# KiCad board Frooastboard Walnut.kicad_pcb (continued)
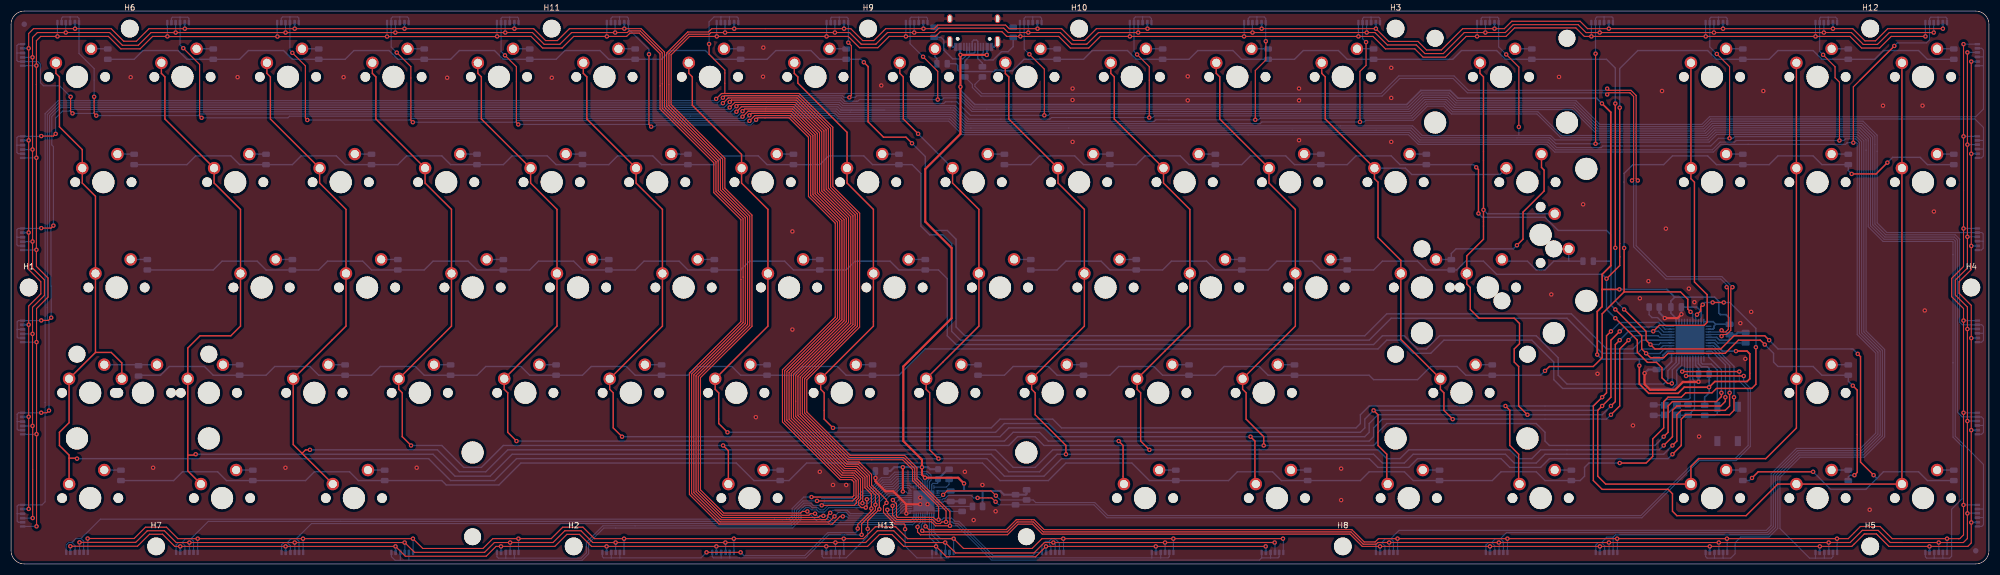
[diagram p0: board, top side]
## Routing (per net, layer and track width the routed paths; a pad name or vN(x,y) marks a point on that pad's centre or on a via; arc(x,y) is an arc through that point) (continued)
CS10: length 673.9
  Top w0.2: v1(146.4,10.6) 152.25,10.6 152.65,11 152.65,11 152.65,11.51 153,11.87 153,15.19 152.14,16.05 150.06,16.05 140.1,26.01 140.1,34.79 149.64,44.33 149.64,61.97 144.8,66.81 144.8,77.51 140.81,81.5 133.69,81.5 v1(133.34,81.16) ; v1(69.65,92.5) 72.2,89.96 72.2,80.25 v1(72.55,79.9) ; v1(310.35,77) 310.35,77 310.35,89.95 v1(308.05,92.25)
  Bottom w0.2: 308.35,98.9 309.7,98.9 309.93,98.67 309.93,97.92 ; 308.35,98.9 308.32,98.88 D94.4 ; 308.35,98.9 307,98.9 306.77,98.67 D94.2 306.77,93.53 v1(308.05,92.25) ; D118.6 48.85,3.44 49.29,3.87 49.88,3.87 ; v1(69.65,92.5) 68.65,93.51 D82.2 68.65,98.7 68.9,98.95 70.2,98.95 ; D82.6 71.8,98.7 71.55,98.95 70.2,98.95 ; D118.4 50.45,3.3 49.88,3.87 ; 287.21,3.87 286.64,3.87 286.18,3.42 D106.6 ; 287.21,3.87 287.78,3.31 D106.4 ; 287.21,3.87 288.18,4.84 289.33,4.84 ; 51.51,4.57 52,4.09 D118.2 ; 51.51,4.57 50.57,4.57 49.88,3.87 ; 51.51,4.57 52.21,5.27 52.22,5.27 54.25,7.3 130.8,7.3 130.8,7.3 140.8,7.3 141.85,8.35 141.85,9.67 143.18,11 144.45,11 144.85,10.6 v1(146.4,10.6) 146.8,11 146.8,11 152.68,11 154.08,12.4 155.1,12.4 157.5,14.8 158.9,14.8 159.9,15.8 160.6,15.8 160.6,15.8 163.85,15.8 164.65,15 U2.25 ; D82.4 70.2,98.95 ; v1(72.55,79.9) 72.55,79.9 91.01,79.9 91.3,80.19 91.3,80.2 124.7,80.2 124.7,80.2 125.05,80.2 125.05,80.2 130,80.2 132.39,80.2 v1(133.34,81.16) 133.69,81.5 148.79,81.5 149.39,80.9 169.67,80.9 172.12,78.45 231.35,78.45 246.35,78.45 246.63,78.45 252.7,78.45 254.45,76.7 277.72,76.7 279.11,75.31 287.15,75.31 287.45,75.61 306.96,75.61 308.34,77 v1(310.35,77) 310.95,77 311.25,77.3 333.28,77.3 334.2,76.38 334.2,70.05 334.2,41.82 337.55,38.47 337.55,23.33 334.32,20.1 322.77,20.1 318.65,15.98 318.65,6.62 317.31,5.27 289.76,5.27 289.33,4.84 ; 289.33,4.84 D106.2
CS11: length 694
  Top w0.2: v1(327.24,92.09) 329.4,89.93 329.4,87.95 330.2,87.15 v1(330.2,76.6) ; v1(89.2,92.01) 91.25,89.96 91.25,79.85 v1(91.6,79.5) ; v1(145.55,11.4) 151.97,11.4 152.6,12.03 152.6,15.02 151.97,15.65 149.9,15.65 139.7,25.85 139.7,34.95 149.24,44.49 149.24,61.81 144.4,66.65 144.4,77.35 140.65,81.1 134.3,81.1 v1(133.35,80.15)
  Bottom w0.2: D95.6 329.77,98.63 329.5,98.9 328.15,98.9 ; 90.05,98.9 90.04,98.89 D83.4 ; 90.05,98.9 91.45,98.9 91.64,98.71 D83.6 ; 90.05,98.9 88.7,98.9 88.49,98.69 D83.2 88.49,92.71 v1(89.2,92.01) ; v1(327.24,92.09) 326.62,92.71 D95.2 326.62,98.72 326.8,98.9 328.15,98.9 ; 267.38,3.87 268.08,4.57 268.96,4.57 ; 267.38,3.87 267.94,3.31 D107.4 ; 267.38,3.87 266.79,3.87 266.34,3.43 D107.6 ; U2.27 165.45,15.01 165.75,15.31 165.75,15.9 165.35,16.3 164.65,16.3 164.55,16.2 162.88,16.2 162.88,16.2 159.73,16.2 158.73,15.2 157.34,15.2 154.94,12.8 153.92,12.8 152.52,11.4 146.85,11.4 146.85,11.4 v1(145.55,11.4) 145.55,11.4 143.01,11.4 141.45,9.84 141.45,8.52 140.63,7.7 139.3,7.7 139.3,7.7 59.5,7.7 35.62,7.7 32.49,4.57 ; 30.84,3.87 31.54,4.57 32.49,4.57 ; 30.84,3.87 31.4,3.31 D119.4 ; 30.84,3.87 30.26,3.87 29.8,3.41 D119.6 ; D95.4 328.17,98.88 328.15,98.9 ; 268.96,4.57 269.49,4.05 D107.2 ; 268.96,4.57 270.06,5.67 317.14,5.67 318.25,6.78 318.25,16.15 322.6,20.5 334.15,20.5 337.15,23.5 337.15,38.3 333.8,41.65 333.8,47.05 333.8,69.8 333.8,69.8 333.8,76.22 333.12,76.9 331.3,76.9 331,76.6 v1(330.2,76.6) 330.19,76.6 311.55,76.6 311.25,76.3 308.63,76.3 307.25,74.91 278.94,74.91 277.55,76.3 254.29,76.3 252.53,78.05 175.6,78.05 171.95,78.05 169.5,80.5 149.23,80.5 148.63,81.1 134.3,81.1 v1(133.35,80.15) 133,79.8 115.31,79.8 115.01,79.5 105.4,79.5 105.4,79.5 v1(91.6,79.5) ; 32.49,4.57 32.95,4.11 D119.2
CS12: length 725.1
  Top w0.2: 333.93,87.53 v1(340.1,93.7) 333.93,87.53 ; 333.93,87.53 332.7,86.3 v1(332.7,76.2) ; v1(115.6,79.1) 115.2,79.5 v1(115.2,92.2) ; v1(144.55,12.1) 151.95,12.1 152.2,12.35 152.2,14.85 151.81,15.24 151.81,15.26 149.73,15.26 139.31,25.68 139.31,35.12 148.84,44.66 148.84,61.64 144.01,66.48 144.01,77.18 140.48,80.71 134.89,80.71 v1(134.54,80.36)
  Bottom w0.2: 348,98.9 349.4,98.9 349.61,98.69 D96.6 ; 348,98.9 346.7,98.9 346.46,98.66 D96.2 346.46,94.81 345.9,94.25 340.65,94.25 v1(340.1,93.7) ; 348,98.9 348.01,98.89 D96.4 ; 249.16,4.57 250.66,6.07 316.98,6.07 317.85,6.95 317.85,16.31 322.44,20.9 333.99,20.9 336.75,23.66 336.75,38.14 333.4,41.49 333.4,76.05 333.25,76.2 v1(332.7,76.2) ; 249.16,4.57 249.64,4.1 D108.2 ; 249.16,4.57 248.23,4.57 247.53,3.87 ; 247.53,3.87 246.94,3.87 246.49,3.43 D108.6 ; 247.53,3.87 248.09,3.31 D108.4 ; v1(115.2,92.2) 115.2,93.05 111.49,96.76 D84.6 111.49,98.71 111.25,98.95 109.9,98.95 ; 331.48,76.07 331.6,76.2 ; 331.48,76.07 331.6,76.2 ; 331.48,76.07 331.3,75.9 313.7,75.9 313.7,75.9 308.8,75.9 307.41,74.51 278.78,74.51 277.39,75.9 254.12,75.9 252.37,77.65 223.4,77.65 223.4,77.65 223.4,77.65 171.79,77.65 169.33,80.1 149.06,80.1 148.46,80.7 134.89,80.7 v1(134.54,80.36) 133.59,79.4 116.55,79.4 116.25,79.1 v1(115.6,79.1) ; 331.6,76.2 332.9,76.2 ; 11,3.9 11.7,4.6 12.64,4.6 ; 11,3.9 10.41,3.9 9.96,3.45 D120.6 ; 11,3.9 11.56,3.34 D120.4 ; 12.64,4.6 16.14,8.1 137.9,8.1 140.09,8.1 140.1,8.1 140.47,8.1 141.05,8.68 141.05,10 143.15,12.1 v1(144.55,12.1) 146.1,12.1 146.4,11.8 146.9,11.8 146.9,11.8 152.35,11.8 153.75,13.2 154.77,13.2 157.17,15.6 158.57,15.6 159.57,16.6 163.05,16.6 163.05,16.6 164.38,16.6 164.48,16.7 165.52,16.7 166.15,16.07 166.15,15.14 165.85,14.85 U2.28 ; 12.64,4.6 13.11,4.13 D120.2 ; 109.9,98.95 109.89,98.94 D84.4 ; 109.9,98.95 108.6,98.95 108.34,98.69 D84.2
D+: length 185.8
  Top w0.2: v1(308.9,41.21) 309.2,41.51 309.82,41.51 310.58,42.26 310.58,49.76 v1(310.88,50.06) ; v1(293.77,69.36) 293.48,69.66 293.48,84.74 292.54,85.68 288.55,85.68 v1(288.25,85.97)
  Bottom w0.2: R6.1 174.06,86.74 174.06,86.37 175.36,85.08 247.41,85.08 250.61,88.28 260.59,88.28 263.19,85.67 287.95,85.68 v1(288.25,85.97) ; v1(310.88,50.06) 308.95,51.99 299.04,51.99 293.48,57.56 293.48,69.06 v1(293.77,69.36) ; U1.4 306.57,41.51 308.6,41.51 v1(308.9,41.21)
D-: length 184.8
  Top w0.2: v1(292.72,69.36) 293.02,69.66 293.02,84.56 292.36,85.22 288.55,85.22 v1(288.25,84.92) ; v1(308.9,42.26) 309.2,41.96 309.64,41.96 310.12,42.44 310.12,49.76 v1(309.82,50.06)
  Bottom w0.2: R5.1 173.61,86.74 173.61,86.19 175.17,84.62 247.59,84.62 250.79,87.83 260.41,87.83 263.01,85.22 287.95,85.22 v1(288.25,84.92) ; v1(292.72,69.36) 293.02,69.06 293.02,57.37 298.86,51.54 308.76,51.54 309.82,50.48 v1(309.82,50.06) ; v1(308.9,42.26) 308.6,41.96 306.57,41.96 U1.3
HWB: length 6.3
  Bottom w0.25: R2.1 295.82,45.09 296.35,44.56 297.35,44.56 298.93,42.98 U1.33
IICRST: length 4.6
  Bottom w0.2: U2.39 169.35,10 169.85,9.5 R8.1
RESET: length 14.5
  Bottom w0.25: R1.1 307.75,26.86 308.15,27.26 SW1.1 308.15,35.06 307.05,36.16 305.45,36.16 305.21,36.4 U1.13
ROW0: length 339.3
  Top w0.25: v1(154,90.75) 154.78,89.97 154.78,79.97 157.55,77.2 161.6,77.2 v1(162.7,76.1)
  Bottom w0.25: v1(162.7,76.1) 165.1,73.7 165.1,61.91 166.69,60.33 169.07,60.33 170.66,58.74 170.66,42.86 172.24,41.28 244.47,41.28 248.44,45.24 281.78,45.24 288.13,38.89 292.89,38.89 294.48,40.48 U1.28 ; D1.1 22.22,91.28 23.81,92.87 30.16,92.87 31.75,91.28 D10.1 41.28,91.28 42.86,92.87 49.21,92.87 50.8,91.28 D19.1 60.33,91.28 61.91,92.87 68.26,92.87 69.85,91.28 D28.1 79.38,91.28 80.96,92.87 87.31,92.87 88.9,91.28 D37.1 98.42,91.28 100.01,92.87 106.36,92.87 107.95,91.28 D46.1 117.48,91.28 119.06,92.87 125.41,92.87 127,91.28 D55.1 136.52,91.28 138.11,92.87 144.46,92.87 146.05,91.28 D64.1 153.47,91.28 v1(154,90.75)
ROW1: length 291.3
  Top w0.25: v1(289.72,57.18) v1(289.72,83.28) ; v1(317.5,40.48) 316.71,41.28 311.15,41.28 308.77,38.89 296.86,38.89 v1(296.07,39.69) 295.27,40.48 295.27,42.07 v1(291.31,46.04) ; v1(333.5,38) 334,37.5 334,18.42 v1(336.36,16.06) ; v1(325.44,16.67) 315.52,16.67 v1(314.4,15.55)
  Bottom w0.25: v1(317.5,40.48) 319.09,38.89 332.61,38.89 v1(333.5,38) ; v1(325.44,16.67) 328.61,13.49 334.96,13.49 336.95,15.48 ; 336.95,15.48 338.14,16.67 344.49,16.67 346.07,15.08 D69.1 ; 336.95,15.48 v1(336.36,16.06) ; v1(314.4,15.55) 313.93,15.08 D60.1 ; v1(289.72,83.28) 289.72,89.69 288.13,91.28 D51.1 269.88,91.28 268.29,92.87 261.94,92.87 260.35,91.28 D42.1 241.3,91.28 239.71,92.87 233.36,92.87 231.77,91.28 D33.1 222.25,91.28 220.66,92.87 214.31,92.87 212.72,91.28 D24.1 203.2,91.28 201.61,92.87 195.26,92.87 193.67,91.28 D15.1 182.93,91.28 180.85,89.2 178.95,89.2 178.79,89.36 177.76,89.36 177.47,89.06 171.25,89.06 170.95,89.36 170.95,90.16 170.62,90.49 D6.1 ; v1(289.72,57.18) 289.72,47.62 v1(291.31,46.04) ; U1.27 297.87,39.98 297.57,39.68 296.07,39.68 v1(296.07,39.69)
ROW2: length 319.7
  Bottom w0.25: D2.1 31.75,72.23 33.34,73.82 39.69,73.82 41.28,72.23 D11.1 50.8,72.23 52.39,73.82 58.74,73.82 60.33,72.23 D20.1 69.85,72.23 71.44,73.82 77.79,73.82 79.38,72.23 D29.1 88.9,72.23 90.49,73.82 96.84,73.82 98.42,72.23 D38.1 107.95,72.23 109.54,73.82 115.89,73.82 117.48,72.23 D47.1 127,72.23 128.59,73.82 134.94,73.82 136.52,72.23 D56.1 146.05,72.23 147.64,73.82 153.99,73.82 155.57,72.23 D65.1 162.72,72.23 164.31,70.64 164.31,61.12 165.89,59.53 168.27,59.53 169.86,57.94 169.86,42.07 171.45,40.48 245.27,40.48 249.24,44.45 280.99,44.45 287.34,38.1 293.69,38.1 294.47,38.88 297.77,38.88 298.37,39.48 U1.26
ROW3: length 219.5
  Top w0.25: v1(265,63.4) 265,71.35 v1(264.6,71.75) ; v1(332.9,16.05) 333.4,16.55 333.4,31.45 v1(332.6,32.25) ; v1(316.71,39.69) 315.91,40.48 311.94,40.48 309.56,38.1 299.24,38.1 298.45,37.31 296.07,37.31 v1(295.27,38.1) 294.48,38.89 294.48,41.28 v1(289.72,46.04)
  Bottom w0.25: D7.1 184.15,72.23 185.74,73.82 192.09,73.82 193.67,72.23 D16.1 203.2,72.23 204.79,73.82 211.14,73.82 212.72,72.23 D25.1 222.25,72.23 223.84,73.82 230.19,73.82 231.77,72.23 D34.1 241.3,72.23 242.89,73.82 249.24,73.82 250.82,72.23 D43.1 264.12,72.23 v1(264.6,71.75) ; v1(289.72,46.04) 288.93,46.83 288.93,54.77 ; v1(332.9,16.05) 332.1,16.05 331.79,15.74 D70.1 ; v1(295.27,38.1) 295.29,38.08 297.77,38.08 298.67,38.98 U1.25 ; 288.93,54.77 288.93,59.53 288.13,60.33 279.4,60.33 277.02,62.71 265.69,62.71 v1(265,63.4) ; 288.93,54.77 D52.1 ; v1(332.6,32.25) 331.79,33.06 D61.1 327.02,34.13 325.44,35.72 319.09,35.72 318.29,36.51 318.29,38.1 v1(316.71,39.69)
ROW4: length 308.3
  Bottom w0.25: D3.1 36.51,53.18 38.1,54.77 44.45,54.77 46.04,53.18 D12.1 55.56,53.18 57.15,54.77 63.5,54.77 65.09,53.18 D21.1 74.61,53.18 76.2,54.77 82.55,54.77 84.14,53.18 D30.1 93.66,53.18 95.25,54.77 101.6,54.77 103.19,53.18 D39.1 112.71,53.18 114.3,54.77 120.65,54.77 122.24,53.18 D48.1 131.76,53.18 133.35,54.77 139.7,54.77 141.29,53.18 D57.1 150.81,53.18 152.4,54.77 158.75,54.77 160.34,53.18 D66.1 167.48,53.18 169.07,51.59 169.07,41.28 170.66,39.69 246.06,39.69 247.65,41.28 251.62,41.28 254,38.89 255.59,38.89 257.97,41.28 275.43,41.28 279.4,37.31 279.4,34.13 280.99,32.54 298.45,32.54 299.21,33.31 299.21,34.96 300.71,36.46 U1.22
ROW5: length 245.4
  Top w0.25: v1(289.72,44.45) 293.69,40.48 293.69,38.3 295.52,36.46 297.15,36.46 298.15,35.46 298.15,33.66 299.15,32.66 v1(299.92,32.66) ; v1(288.13,51.59) 290.51,53.97 v1(290.51,82.54)
  Bottom w0.25: D8.1 188.91,53.18 190.5,54.77 196.85,54.77 198.44,53.18 D17.1 207.96,53.18 209.55,54.77 215.9,54.77 217.49,53.18 D26.1 227.01,53.18 228.6,54.77 234.95,54.77 236.54,53.18 D35.1 246.06,53.18 247.65,54.77 254,54.77 255.59,53.18 D44.1 261.08,53.18 262.67,54.77 265.91,54.77 268.29,52.39 287.34,52.39 v1(288.13,51.59) 288.13,46.04 v1(289.72,44.45) ; v1(299.92,32.66) 300.01,32.75 300.01,35.12 301.21,36.33 U1.21 ; D71.1 346.07,91.28 344.49,92.87 338.14,92.87 336.55,91.28 D62.1 327.02,91.28 325.44,92.87 319.09,92.87 317.5,91.28 D53.1 307.97,91.28 306.39,92.87 293.77,92.87 290.51,89.61 v1(290.51,82.54)
ROW6: length 302.5
  Bottom w0.25: U1.20 301.71,35.92 300.81,35.03 300.81,32.53 300.04,31.75 280.19,31.75 278.61,33.34 278.61,36.51 274.64,40.48 258.76,40.48 256.38,38.1 253.21,38.1 250.82,40.48 248.44,40.48 246.86,38.89 165.1,38.89 160.34,34.13 D67.1 150.81,34.13 149.22,35.72 142.88,35.72 141.29,34.13 D58.1 131.76,34.13 130.17,35.72 123.83,35.72 122.24,34.13 D49.1 112.71,34.13 111.13,35.72 104.78,35.72 103.19,34.13 D40.1 93.66,34.13 92.08,35.72 85.73,35.72 84.14,34.13 D31.1 74.61,34.13 73.03,35.72 66.67,35.72 65.09,34.13 D22.1 55.56,34.13 53.98,35.72 47.62,35.72 46.04,34.13 D13.1 36.51,34.13 34.92,35.72 28.57,35.72 26.99,34.13 23.16,34.13 D4.1
ROW7: length 237.4
  Top w0.25: 291.31,49.21 287.34,45.24 287.34,37.31 285.75,35.72 277.81,35.72 v1(277.02,34.92) ; 291.31,49.21 301.49,49.21 302.8,47.9 302.8,46.1 v1(303.3,45.6) ; 291.31,49.21 v1(291.31,57.15) ; v1(338.85,72.6) 336.8,70.55 v1(332.4,70.55)
  Bottom w0.25: v1(277.02,34.92) 276.22,34.13 D45.1 262.73,34.13 261.14,35.72 256.38,35.72 254,33.34 246.06,33.34 245.27,34.13 D36.1 227.01,34.13 225.42,35.72 219.07,35.72 217.49,34.13 D27.1 207.96,34.13 206.38,35.72 200.02,35.72 198.44,34.13 D18.1 188.91,34.13 187.32,35.72 180.97,35.72 179.39,34.13 D9.1 ; U1.40 303.71,45.19 v1(303.3,45.6) ; v1(338.85,72.6) 339.8,73.55 344.76,73.55 346.07,72.23 D72.1 ; v1(291.31,57.15) 291.31,70.64 292.89,72.23 298.45,72.23 300.04,73.82 306.39,73.82 307.97,72.23 D54.1 317.5,72.23 319.09,73.82 325.44,73.82 327.02,72.23 D63.1 331.79,71.16 v1(332.4,70.55)
ROW8: length 348.6
  Top w0.25: v1(315.1,39.2) 315.1,32.5 314.35,31.75 307.97,31.75 307.18,30.96 302.42,30.96 301.62,30.16 299.24,30.16 298.45,29.37 298.45,24.61 296.47,22.62 296.47,19.45 295.27,18.26 v1(290.51,18.26) ; v1(305.5,46.9) 305.14,46.54 305.14,45.78 v1(304.46,45.1) ; v1(307.3,47.3) v1(309.3,47.3)
  Bottom w0.25: v1(315.1,39.2) 315.1,42.6 310.4,47.3 v1(309.3,47.3) ; v1(290.51,18.26) 284.96,18.26 284.16,17.46 284.16,15.88 283.37,15.08 D68.1 277.02,15.08 275.43,16.67 269.08,16.67 267.49,15.08 D59.1 253.21,15.08 251.62,16.67 245.27,16.67 243.68,15.08 D50.1 229.39,15.08 227.81,16.67 221.46,16.67 219.87,15.08 D41.1 205.58,15.08 202.41,18.26 190.5,18.26 187.32,15.08 178.59,15.08 175.42,18.26 143.67,18.26 140.49,15.08 D32.1 134.14,15.08 130.97,18.26 92.08,18.26 88.11,14.29 78.58,14.29 77.79,15.08 D23.1 62.71,15.08 61.12,16.67 54.77,16.67 53.18,15.08 D14.1 38.89,15.08 37.31,16.67 30.96,16.67 29.37,15.08 D5.1 ; v1(304.46,45.1) 304.21,44.85 U1.41 ; v1(305.5,46.9) 305.9,47.3 v1(307.3,47.3)
RSET: length 3.9
  Bottom w0.2: U2.30 168.89,13.89 169.4,14.4 R7.1
SCL: length 181
  Top w0.2: v1(177.8,11.25) 177.1,11.95 v1(174.55,11.95)
  Top w0.25: v1(302.49,34) v1(312.9,34)
  Bottom w0.2: v1(312.9,34) 312.9,33 314.1,31.8 314.1,21.25 311.55,18.7 304.85,18.7 294.5,8.35 197.9,8.35 195.55,10.7 R11.2 178.35,10.7 v1(177.8,11.25) ; U2.35 168.15,11.6 168.35,11.8 168.65,11.8 169.24,12.39 173.39,12.39 173.82,11.95 v1(174.55,11.95)
  Bottom w0.25: v1(302.49,34) 302.71,34.22 U1.18
SDA: length 180.8
  Top w0.2: v1(168.32,12.5) 169.02,13.2 177,13.2 v1(177.85,12.35)
  Top w0.25: v1(301.8,34.8) v1(312.1,34.8)
  Bottom w0.2: v1(312.1,34.8) 312.1,33.05 313.7,31.45 313.7,21.42 311.38,19.1 304.68,19.1 294.33,8.75 198.07,8.75 195.72,11.1 185.05,11.1 184.57,11.58 R10.2 178.62,11.58 v1(177.85,12.35) ; v1(168.32,12.5) 168.32,12.5 167.82,12 U2.34
  Bottom w0.25: v1(301.8,34.8) 302.21,35.21 U1.19
SDB: length 6.3
  Bottom w0.2: U2.38 R9.1
SW1: length 261.2
  Top w0.2: v1(13.82,4.6) 13.83,4.6 22.22,4.6 24.28,6.65 28.05,6.65 30.13,4.57 v1(33.7,4.57) v1(52.72,4.57) v1(72.57,4.57) 74.35,2.8 85.22,2.8 87,4.57 v1(91.62,4.57) 97.55,4.58 99.62,6.65 103.28,6.65 105.35,4.57 v1(110.7,4.57) v1(130.53,4.57) v1(150.38,4.57) 150.38,4.58 153.92,4.58 156.07,6.72 159.75,6.72 161.9,4.57 v1(170.22,4.57) 172,2.8 184.4,2.8 186.17,4.57 v1(190.02,4.57) v1(209.9,4.58) v1(229.7,4.58)
  Bottom w0.2: D109.1 229.76,4.52 v1(229.7,4.58) ; D118.1 52.75,4.55 v1(52.72,4.57) ; v1(91.62,4.57) 91.64,4.56 D116.1 ; D114.1 130.54,4.56 v1(130.53,4.57) ; v1(150.38,4.57) 150.38,4.57 D113.1 ; D120.1 13.86,4.57 v1(13.82,4.6) ; D117.1 72.59,4.56 v1(72.58,4.57) ; v1(110.7,4.57) 110.69,4.57 D115.1 ; 170.22,2.09 v1(170.22,4.57) 168.18,4.57 168.17,4.58 167.82,4.58 166.65,5.75 U2.1 ; D111.1 190.07,4.53 v1(190.02,4.57) ; D110.1 209.91,4.56 v1(209.9,4.58) ; D119.1 v1(33.7,4.57)
SW2: length 252.5
  Top w0.2: v1(12.35,3.9) 12.35,3.9 22.5,3.9 24.6,6 27.7,6 29.83,3.87 v1(32.2,3.87) v1(51.22,3.87) v1(71.08,3.87) 72.85,2.1 85.51,2.1 87.29,3.87 v1(90.12,3.87) 97.88,3.88 100,6 102.92,6 105.05,3.87 v1(109.17,3.87) v1(129,3.87) v1(148.88,3.87) 148.88,3.88 154.32,3.88 156.45,6 159.4,6 161.53,3.87 v1(168.7,3.87) 170.57,2 184.74,2 186.61,3.87 v1(188.23,3.87) v1(208.4,3.87) 211.9,3.88 v1(228.2,3.88)
  Bottom w0.2: v1(129,3.87) 129.04,3.84 D114.3 ; v1(148.88,3.87) 148.88,3.87 D113.3 ; 168.72,2.09 168.72,3.85 v1(168.7,3.87) 167.68,3.87 166.25,5.3 U2.2 ; D109.3 228.26,3.82 v1(228.2,3.88) ; D117.3 71.09,3.86 v1(71.08,3.87) ; v1(51.22,3.87) 51.25,3.85 D118.3 ; v1(109.17,3.87) 109.19,3.86 D115.3 ; D110.3 208.41,3.86 v1(208.4,3.87) ; v1(12.35,3.9) 12.36,3.89 D120.3 ; D116.3 90.14,3.86 v1(90.12,3.87) ; D119.3 v1(32.2,3.87) ; D111.3 188.57,3.53 v1(188.23,3.87)
SW3: length 243.7
  Top w0.2: v1(10.7,3.2) 22.82,3.2 25,5.38 27.35,5.38 29.55,3.17 v1(30.55,3.17) v1(49.58,3.17) v1(69.42,3.17) 71.2,1.4 85.8,1.4 87.58,3.17 v1(88.48,3.17) 98.2,3.17 100.38,5.35 102.65,5.35 104.83,3.17 v1(107.55,3.17) v1(127.38,3.17) v1(147.22,3.17) 154.67,3.17 156.82,5.33 159.07,5.33 161.22,3.17 v1(167.05,3.17) 168.92,1.3 185.02,1.3 v1(186.9,3.17) v1(206.72,3.17) v1(226.57,3.17)
  Bottom w0.2: v1(10.7,3.2) 10.71,3.19 D120.5 ; D111.5 186.92,3.16 v1(186.9,3.17) ; D118.5 49.6,3.15 v1(49.58,3.17) ; D117.5 69.44,3.16 v1(69.42,3.17) ; D112.5 167.07,3.15 v1(167.05,3.17) 167.05,3.65 165.85,4.85 U2.3 ; v1(147.22,3.17) 147.23,3.17 D113.5 ; D119.5 v1(30.55,3.17) ; v1(226.57,3.17) 226.61,3.14 D109.5 ; D110.5 206.76,3.14 v1(206.72,3.17) ; v1(107.55,3.17) 107.54,3.17 D115.5 ; v1(88.48,3.17) 88.49,3.16 D116.5 ; v1(127.38,3.17) 127.39,3.16 D114.5
SW4: length 315.2
  Top w0.2: v1(165.15,6.8) 165.75,6.2 179.73,6.2 181.53,8 184.3,8 184.77,8 186.57,6.2 242.13,6.2 244.36,3.97 246.33,3.97 246.94,4.58 v1(250.38,4.58) 250.38,4.57 v1(270.23,4.57) v1(290.05,4.57) v1(309.87,4.57) v1(329.75,4.57) 331.77,4.57 333.97,6.78 337.52,6.78 339.73,4.57 v1(349.62,4.57) 351.7,4.57 351.7,4.58 351.93,4.58 352.6,5.25 352.6,8.42 v1(352.6,10.68) v1(352.6,27.35) v1(352.6,44.02) 352.6,46.2 350.45,48.35 350.45,51.65 352.6,53.8 v1(352.6,60.67) 352.6,67.53 v1(352.6,77.35) v1(352.6,94.02)
  Bottom w0.2: v1(165.15,6.8) 165.05,6.9 U2.5 ; 309.93,2.09 309.93,4.52 v1(309.87,4.57) ; D101.1 v1(352.6,27.35) ; v1(349.62,4.57) 349.62,2.1 D103.1 ; D108.1 250.39,4.56 v1(250.38,4.58) ; D106.1 290.08,4.54 v1(290.05,4.57) ; D102.1 352.61,10.68 v1(352.6,10.68) ; v1(329.75,4.57) 329.77,4.56 D104.1 ; D100.1 352.61,44.02 v1(352.6,44.02) ; v1(270.23,4.57) 270.24,4.56 D107.1 ; D97.1 v1(352.6,94.03) ; v1(352.6,77.35) 352.61,77.36 D98.1 ; D99.1 352.61,60.69 v1(352.6,60.67)
SW5: length 307.9
  Top w0.2: v1(164.55,6) 164.75,5.8 179.9,5.8 181.7,7.6 184.6,7.6 186.4,5.8 241.97,5.8 244.19,3.57 246.5,3.57 246.8,3.88 v1(248.88,3.88) v1(268.68,3.88) 277.8,3.88 v1(288.55,3.87) v1(308.4,3.87) v1(328.25,3.87) 332.12,3.88 334.32,6.08 337.18,6.08 339.38,3.88 341.55,3.88 v1(348.12,3.87) 352.57,3.87 353.3,4.6 v1(353.3,9.15) v1(353.3,25.85) v1(353.3,42.5) 353.3,46.47 351.12,48.65 351.12,51.35 353.3,53.53 v1(353.3,59.17) v1(353.3,75.85) v1(353.3,92.53)
  Bottom w0.2: v1(353.3,42.5) 353.32,42.52 D100.3 ; D108.3 248.89,3.86 v1(248.88,3.88) ; v1(353.3,59.17) 353.31,59.19 D99.3 ; v1(348.12,3.87) 348.12,2.1 D103.3 ; v1(288.55,3.87) 288.58,3.84 D106.3 ; D104.3 328.27,3.86 v1(328.25,3.87) ; v1(353.3,75.85) 353.31,75.86 D98.3 ; D102.3 353.33,9.18 v1(353.3,9.15) ; U2.6 164.65,7.35 164.4,7.1 164.4,6.15 v1(164.55,6) ; D107.3 268.74,3.81 v1(268.68,3.88) ; 308.43,2.09 308.43,3.85 v1(308.4,3.87) ; D101.3 v1(353.3,25.85) ; D97.3 v1(353.3,92.53)
SW6: length 300.5
  Top w0.2: v1(354,90.88) v1(354,74.2) v1(354,57.52) 354,53.25 351.8,51.05 351.8,48.97 354,46.78 v1(354,40.85) v1(354,24.2) v1(354,7.5) 354,3.8 353.38,3.17 v1(346.45,3.17) 339.12,3.17 336.88,5.42 334.68,5.42 332.43,3.17 v1(326.65,3.17) v1(306.77,3.17) v1(286.93,3.17) v1(267.07,3.17) v1(247.22,3.17) 244.02,3.17 241.8,5.4 186.23,5.4 184.43,7.2 181.87,7.2 179.94,5.27 164.23,5.27 163.7,5.8 v1(163.7,6.7)
  Bottom w0.2: v1(354,57.52) 354.01,57.54 355.1,57.54 ; v1(163.7,6.7) 163.7,7 164.25,7.55 U2.7 ; v1(326.65,3.17) 326.62,3.14 D104.5 ; D105.5 v1(306.77,3.17) ; D102.5 354.03,7.53 v1(354,7.5) ; D97.5 v1(354,90.88) ; D108.5 247.24,3.16 v1(247.22,3.17) ; v1(354,40.85) 354.02,40.87 D100.5 ; v1(267.07,3.17) 267.09,3.16 D107.5 ; D98.5 354.01,74.21 v1(354,74.2) ; v1(346.45,3.17) 346.46,3.16 D103.5 ; v1(286.93,3.17) 286.93,3.17 D106.5 ; D101.5 v1(354,24.2)
SW7: length 400.3
  Top w0.2: v1(143.8,9.5) 142.9,9.5 142.6,9.2 128.7,9.2 124.5,13.4 124.5,33.7 133.8,43 133.8,63.1 128.9,68 128.9,73.4 119.2,83.1 119.2,92.1 122.52,95.42 v1(127.45,95.42) 147.27,95.43 v1(147.27,95.43) 151.17,95.43 153.22,93.38 156.52,93.38 158.58,95.43 v1(161.6,95.43) 166.95,95.43 167.8,96.28 178.95,96.28 179.8,95.43 v1(182.27,95.43) 189.2,95.43 191.3,93.33 194.62,93.33 196.72,95.42 202.05,95.42 v1(202.05,95.43) v1(222.68,95.43) 243.32,95.43 v1(243.32,95.42) 245.95,95.42 248.2,93.17 253.5,93.17 255,91.67 259.02,91.67 262.77,95.42 v1(264.75,95.42) 264.75,95.43 269.98,95.43 271.51,96.96 282.59,96.96 284.12,95.42 285.4,95.42 v1(285.4,95.43) v1(306.05,95.43) v1(325.88,95.43) 332.1,95.43 334.2,93.33 337.45,93.33 339.55,95.42 345.72,95.42 v1(345.72,95.43)
  Bottom w0.2: D88.1 182.2,95.5 v1(182.27,95.43) ; D87.1 v1(161.6,95.43) ; v1(202.05,95.43) 202.04,95.43 D89.1 ; v1(345.72,95.43) 345.71,95.44 D96.1 ; v1(325.88,95.43) 325.87,95.43 D95.1 ; D92.1 v1(264.75,95.42) ; v1(127.45,95.42) 127.43,95.44 D85.1 ; D94.1 306.02,95.45 v1(306.05,95.43) ; v1(222.68,95.43) 222.68,95.43 D90.1 ; v1(143.8,9.5) 145.7,7.6 147.43,7.6 147.93,7.1 160.7,7.1 162.83,7.1 163.85,8.12 U2.8 ; D91.1 243.32,95.43 v1(243.32,95.42) ; v1(285.4,95.43) 285.39,95.44 D93.1 ; 147.27,97.92 v1(147.27,95.43)
SW8: length 394.2
  Top w0.2: 286.9,96.12 284.43,96.12 283,97.55 271.27,97.55 269.85,96.13 v1(266.25,96.13) 262.45,96.13 258.65,92.33 255.32,92.33 253.77,93.88 248.55,93.88 246.3,96.13 v1(244.82,96.13) v1(224.2,96.13) v1(203.55,96.13) 203.55,96.12 196.38,96.12 194.27,94.03 191.57,94.03 189.47,96.13 v1(183.7,96.13) 180.07,96.13 179.27,96.92 167.55,96.92 166.75,96.13 v1(163.1,96.13) 158.28,96.13 156.17,94.03 153.52,94.03 151.42,96.13 v1(148.77,96.13) 128.95,96.13 v1(128.95,96.12) 126.4,96.12 126.1,95.82 122.36,95.82 118.8,92.27 118.8,82.93 128.5,73.23 128.5,67.83 133.4,62.93 133.4,43.17 124.1,33.87 124.1,13.23 128.53,8.8 144.1,8.8 144.4,9.1 v1(145.2,9.1) ; 286.9,96.12 v1(307.52,96.12) 327.37,96.12 v1(327.38,96.13) 332.35,96.13 334.5,93.97 337.05,93.97 339.2,96.12 347.22,96.12 v1(347.22,96.13) ; 286.9,96.12 v1(286.9,96.13) 286.9,96.12
  Bottom w0.2: D87.3 v1(163.1,96.13) ; 145.7,8.6 146.3,8 147.6,8 148.1,7.5 162.67,7.5 163.45,8.28 U2.9 ; 145.7,8.6 145.4,8.9 ; 145.7,8.6 v1(145.2,9.1) ; D89.3 203.54,96.13 v1(203.55,96.13) ; v1(128.95,96.12) 128.93,96.14 D85.3 ; D95.3 327.37,96.13 v1(327.38,96.13) ; D94.3 v1(307.52,96.12) ; v1(347.22,96.13) 347.21,96.14 D96.3 ; D91.3 244.82,96.13 v1(244.82,96.13) ; 148.77,97.92 v1(148.77,96.13) ; v1(286.9,96.13) 286.89,96.14 D93.3 ; v1(224.2,96.13) 224.18,96.14 D90.3 ; D92.3 v1(266.25,96.13) ; D88.3 v1(183.7,96.13)
SW9: length 387.5
  Top w0.2: v1(146.7,8.7) 146.1,8.7 145.8,8.4 128.37,8.4 123.7,13.07 123.7,34.03 133,43.33 133,62.77 128.1,67.67 128.1,73.07 118.4,82.77 118.4,92.43 122.19,96.22 125.93,96.22 126.54,96.83 v1(130.6,96.83) v1(150.42,96.83) 151.65,96.83 153.8,94.67 155.8,94.67 157.95,96.83 v1(164.77,96.83) 166.67,96.83 167.32,97.47 179.6,97.47 180.25,96.83 v1(185.38,96.83) 189.72,96.83 191.85,94.7 193.88,94.7 196,96.83 v1(205.22,96.83) v1(225.85,96.83) v1(246.47,96.83) 248.77,94.53 254.07,94.53 255.62,92.97 258.3,92.97 262.15,96.83 v1(267.9,96.83) 269.68,96.83 271.02,98.17 283.35,98.17 284.7,96.83 v1(288.55,96.83) v1(309.18,96.83) v1(329.02,96.83) 332.6,96.83 334.8,94.62 336.7,94.62 338.9,96.83 v1(348.88,96.83)
  Bottom w0.2: v1(130.6,96.83) 130.58,96.84 D85.5 ; D90.5 225.83,96.84 v1(225.85,96.83) ; D88.5 185.35,96.85 v1(185.38,96.83) ; v1(246.47,96.83) 246.47,96.83 D91.5 ; v1(164.77,96.83) 164.75,96.85 D87.5 ; v1(329.02,96.83) 329.02,96.83 D95.5 ; D93.5 288.54,96.84 v1(288.55,96.83) ; v1(146.7,8.7) 147.5,8.7 148.3,7.9 162.5,7.9 163.05,8.45 U2.10 ; D92.5 v1(267.9,96.83) ; D89.5 205.19,96.86 v1(205.22,96.83) ; D86.5 v1(150.42,96.83) ; v1(348.88,96.83) 348.86,96.84 D96.5 ; D94.5 v1(309.18,96.83)
SW10: length 371.2
  Top w0.2: v1(150.2,8.6) 149.7,8.6 148.3,7.2 127.87,7.2 122.5,12.57 122.5,34.53 131.8,43.83 131.8,51.43 131.8,51.43 131.8,62.27 126.9,67.17 126.9,72.57 117.2,82.27 117.2,86.47 117.2,92.27 113.44,96.03 111.77,96.03 111.17,95.43 v1(107.6,95.43) 107.6,95.42 101.6,95.42 99.5,93.33 96,93.33 93.9,95.43 v1(87.78,95.43) 87.75,95.4 v1(67.9,95.4) v1(48.1,95.4) 28.25,95.4 v1(28.22,95.43) 28.22,95.42 25.55,95.42 23.3,93.17 19.82,93.17 17.57,95.43 8.38,95.43 v1(8.38,95.43) 8.37,95.42 5.35,95.42 4.57,94.65 v1(4.57,90.15) 4.57,86.75 v1(4.57,73.47) v1(4.57,56.83) 4.57,53.83 6.68,51.72 6.68,48.28 4.6,46.2 v1(4.6,40.12) v1(4.6,23.47) v1(4.6,6.8)
  Bottom w0.2: D76.1 4.54,56.79 v1(4.57,56.83) ; v1(150.2,8.6) 150.9,8.6 151.2,8.3 159.7,8.3 161.4,10 U2.12 ; v1(87.78,95.43) 87.74,95.46 D83.1 ; D84.1 107.59,95.44 v1(107.6,95.43) ; v1(8.38,95.43) 8.37,95.43 D79.1 ; D74.1 4.57,23.45 v1(4.6,23.47) ; D80.1 28.21,95.44 v1(28.22,95.43) ; v1(48.1,95.4) 48.06,95.44 D81.1 ; v1(4.57,90.15) 4.55,90.12 D78.1 ; D82.1 v1(67.9,95.4) ; v1(4.6,40.12) 4.59,40.12 D75.1 ; D77.1 4.56,73.46 v1(4.57,73.47) ; v1(4.6,6.8) 4.58,6.78 D73.1
SW11: length 362.7
  Top w0.2: v1(3.9,8.3) 3.9,24.95 v1(3.87,24.97) v1(3.87,41.62) 3.87,46.42 6.02,48.58 6.02,51.38 3.88,53.53 v1(3.88,58.33) v1(3.88,74.97) v1(3.88,91.65) 3.87,95.25 4.75,96.12 9.87,96.12 v1(9.88,96.13) 17.8,96.13 20.1,93.83 22.97,93.83 25.28,96.12 29.72,96.12 v1(29.72,96.13) 29.73,96.12 49.57,96.12 v1(49.58,96.13) 49.58,96.12 v1(69.4,96.12) 89.25,96.12 v1(89.25,96.13) 94.15,96.13 96.28,94 99.1,94 101.23,96.12 109.1,96.12 v1(109.1,96.13) 111.3,96.13 111.6,96.43 113.61,96.43 117.6,92.43 117.6,86.85 117.6,82.44 127.3,72.74 127.3,67.34 132.2,62.44 132.2,51.9 132.2,51.9 132.2,43.66 122.9,34.36 122.9,12.74 128.04,7.6 147.7,7.6 v1(148.7,8.6)
  Bottom w0.2: D80.3 29.71,96.14 v1(29.72,96.13) ; D74.3 3.85,24.95 v1(3.87,24.97) ; D83.3 89.24,96.13 v1(89.25,96.13) ; v1(3.87,41.62) 3.87,41.62 D75.3 ; D78.3 3.85,91.62 v1(3.87,91.65) ; D73.3 3.88,8.28 v1(3.9,8.3) ; v1(49.58,96.13) 49.56,96.14 D81.3 ; v1(3.88,74.97) 3.86,74.96 D77.3 ; U2.13 161.2,10.4 159.5,8.7 151.4,8.7 150.8,9.3 149.4,9.3 v1(148.7,8.6) ; D79.3 9.87,96.13 v1(9.88,96.13) ; v1(109.1,96.13) 109.09,96.14 D84.3 ; D82.3 v1(69.4,96.12) ; D76.3 3.84,58.29 v1(3.88,58.33)
SW12: length 354.2
  Top w0.2: v1(3.18,9.95) v1(3.18,26.62) v1(3.18,43.28) 3.18,46.65 5.38,48.85 5.38,51.05 3.18,53.25 v1(3.18,59.95) v1(3.18,76.62) v1(3.18,93.28) 3.18,95.95 4.05,96.83 v1(11.55,96.83) 18.07,96.83 20.35,94.55 22.62,94.55 24.9,96.83 v1(31.37,96.83) v1(51.23,96.83) v1(71.05,96.83) v1(90.9,96.83) 94.38,96.83 96.53,94.67 98.67,94.67 100.83,96.83 v1(110.75,96.83) 113.77,96.83 118,92.6 118,82.6 127.7,72.9 127.7,67.5 132.6,62.6 132.6,43.5 123.3,34.2 123.3,12.9 128.2,8 147.1,8 147.5,8.4 147.5,8.81 v1(147.94,9.25)
  Bottom w0.2: D77.5 3.16,76.61 v1(3.18,76.62) ; D75.5 3.17,43.27 v1(3.18,43.28) ; v1(3.18,59.95) 3.16,59.94 D76.5 ; D73.5 3.16,9.93 v1(3.18,9.95) ; D82.5 v1(71.05,96.83) ; v1(3.18,26.62) 3.15,26.6 D74.5 ; D81.5 51.21,96.84 v1(51.23,96.83) ; D79.5 11.52,96.86 v1(11.55,96.83) ; v1(31.37,96.83) 31.36,96.84 D80.5 ; D84.5 110.74,96.84 v1(110.75,96.83) ; U2.14 161.03,10.8 159.33,9.1 151.6,9.1 151.25,9.45 151,9.7 148.39,9.7 v1(147.94,9.25) ; D78.5 v1(3.18,93.28) ; D83.5 90.89,96.83 v1(90.9,96.83)
UCAP: length 6.9
  Bottom w0.25: C1.2 308.27,39.96 307.75,40.48 U1.6
XTAL1: length 14.7
  Bottom w0.25: C2.1 298.55,28.78 Y1.1 298.65,29.47 298.95,29.78 302.95,29.78 303.21,30.04 U1.17
XTAL2: length 12.9
  Bottom w0.25: U1.16 303.71,33.4 304.01,33.1 304.01,28.04 C3.1 300.95,26.88 Y1.3
Net-(D1-Pad2): length 3
  Bottom w0.25: KEY_ESC1.2 17.43,93.19 D1.2
Net-(D2-Pad2): length 3
  Bottom w0.25: D2.2 22.19,74.14 KEY_TAB1.2
Net-(D3-Pad2): length 3
  Bottom w0.25: KEY_CAPS1.2 24.58,55.09 D3.2
Net-(D4-Pad2): length 9.7
  Bottom w0.25: KEY_LSHIFT2.2 23.19,36.04 D4.2 22.85,36.04 KEY_LSHIFT1.2
Net-(D5-Pad2): length 3
  Bottom w0.25: D5.2 19.81,16.99 KEY_LCTRL1.2
Net-(D6-Pad2): length 2.8
  Bottom w0.25: KEY_8.2 166.85,91.77 167.19,91.42 D6.2
Net-(D7-Pad2): length 3
  Bottom w0.25: KEY_I1.2 179.36,74.14 D7.2
Net-(D8-Pad2): length 3
  Bottom w0.25: D8.2 184.12,55.09 KEY_K1.2
Net-(D9-Pad2): length 3
  Bottom w0.25: D9.2 174.59,36.04 KEY_M1.2
Net-(D10-Pad2): length 3
  Bottom w0.25: KEY_1.2 36.48,93.19 D10.2
Net-(D11-Pad2): length 3
  Bottom w0.25: D11.2 46.01,74.14 KEY_Q1.2
Net-(D12-Pad2): length 3
  Bottom w0.25: KEY_A1.2 50.77,55.09 D12.2
Net-(D13-Pad2): length 3
  Bottom w0.25: D13.2 41.25,36.04 KEY_\1.2
Net-(D14-Pad2): length 3
  Bottom w0.25: D14.2 43.63,16.99 KEY_LGUI1.2
Net-(D15-Pad2): length 3
  Bottom w0.25: D15.2 188.88,93.19 KEY_9.2
Net-(D16-Pad2): length 3
  Bottom w0.25: D16.2 198.41,74.14 KEY_O1.2
Net-(D17-Pad2): length 3
  Bottom w0.25: KEY_L1.2 203.17,55.09 D17.2
Net-(D18-Pad2): length 3
  Bottom w0.25: D18.2 193.64,36.04 KEY_,1.2
Net-(D19-Pad2): length 3
  Bottom w0.25: D19.2 55.53,93.19 KEY_2.2
Net-(D20-Pad2): length 3
  Bottom w0.25: KEY_W1.2 65.06,74.14 D20.2
Net-(D21-Pad2): length 3
  Bottom w0.25: KEY_S1.2 69.82,55.09 D21.2
Net-(D22-Pad2): length 3
  Bottom w0.25: KEY_Y1.2 60.3,36.04 D22.2
Net-(D23-Pad2): length 3
  Bottom w0.25: KEY_LALT1.2 67.44,16.99 D23.2
Net-(D24-Pad2): length 3
  Bottom w0.25: KEY_0.2 207.93,93.19 D24.2
Net-(D25-Pad2): length 3
  Bottom w0.25: KEY_P1.2 217.46,74.14 D25.2
Net-(D26-Pad2): length 3
  Bottom w0.25: KEY_;1.2 222.22,55.09 D26.2
Net-(D27-Pad2): length 3
  Bottom w0.25: D27.2 212.69,36.04 KEY_.1.2
Net-(D28-Pad2): length 3
  Bottom w0.25: D28.2 74.58,93.19 KEY_3.2
Net-(D29-Pad2): length 3
  Bottom w0.25: D29.2 84.11,74.14 KEY_E1.2
Net-(D30-Pad2): length 3
  Bottom w0.25: KEY_D1.2 88.87,55.09 D30.2
Net-(D31-Pad2): length 3
  Bottom w0.25: D31.2 79.34,36.04 KEY_X1.2
Net-(D32-Pad2): length 3
  Bottom w0.25: KEY_SPACE1.2 138.88,16.99 D32.2
Net-(D33-Pad2): length 3
  Bottom w0.25: KEY_-1.2 226.98,93.19 D33.2
Net-(D34-Pad2): length 3
  Bottom w0.25: KEY_[1.2 236.51,74.14 D34.2
Net-(D35-Pad2): length 3
  Bottom w0.25: KEY_'1.2 241.27,55.09 D35.2
Net-(D36-Pad2): length 3
  Bottom w0.25: KEY_/1.2 231.74,36.04 D36.2
Net-(D37-Pad2): length 3
  Bottom w0.25: KEY_4.2 93.63,93.19 D37.2
Net-(D38-Pad2): length 3
  Bottom w0.25: KEY_R1.2 103.16,74.14 D38.2
Net-(D39-Pad2): length 3
  Bottom w0.25: D39.2 107.92,55.09 KEY_F1.2
Net-(D40-Pad2): length 3
  Bottom w0.25: KEY_C1.2 98.39,36.04 D40.2
Net-(D41-Pad2): length 3
  Bottom w0.25: D41.2 210.31,16.99 KEY_RALT1.2
Net-(D42-Pad2): length 3
  Bottom w0.25: KEY_=1.2 246.03,93.19 D42.2
Net-(D43-Pad2): length 3
  Bottom w0.25: D43.2 255.56,74.14 KEY_]1.2
Net-(D44-Pad2): length 35.1
  Top w0.25: KEY_#2.2 276.38,71.72 276.85,71.25 276.85,67.45 273.05,63.65 273.05,58.75 v1(271.95,57.65)
  Bottom w0.25: KEY_#1.2 260.07,55.09 D44.2 260.1,56.15 260.95,57 271.3,57 v1(271.95,57.65)
Net-(D45-Pad2): length 3
  Bottom w0.25: KEY_RSHIFT1.2 267.46,36.04 D45.2
Net-(D46-Pad2): length 3
  Bottom w0.25: D46.2 112.68,93.19 KEY_5.2
Net-(D47-Pad2): length 3
  Bottom w0.25: D47.2 122.21,74.14 KEY_T1.2
Net-(D48-Pad2): length 3
  Bottom w0.25: D48.2 126.97,55.09 KEY_G1.2
Net-(D49-Pad2): length 3
  Bottom w0.25: KEY_V1.2 117.45,36.04 D49.2
Net-(D50-Pad2): length 3
  Bottom w0.25: D50.2 234.13,16.99 KEY_FN1.2
Net-(D51-Pad2): length 3
  Bottom w0.25: D51.2 274.61,93.19 KEY_BACKSPACE1.2
Net-(D52-Pad2): length 18.3
  Bottom w0.25: 281.31,56.99 281.31,54.8 281.33,54.77 ; 281.33,54.77 278.61,54.77 277.02,53.18 275.43,53.18 273.84,54.77 269.56,54.77 KEY_ENTER2.2 ; 281.33,54.77 D52.2
Net-(D53-Pad2): length 3
  Bottom w0.25: D53.2 312.71,93.19 KEY_INSERT1.2
Net-(D54-Pad2): length 3
  Bottom w0.25: D54.2 312.71,74.14 KEY_DELETE1.2
Net-(D55-Pad2): length 3
  Bottom w0.25: KEY_6.2 131.73,93.19 D55.2
Net-(D56-Pad2): length 3
  Bottom w0.25: D56.2 141.26,74.14 KEY_Z1.2
Net-(D57-Pad2): length 3
  Bottom w0.25: KEY_H1.2 146.02,55.09 D57.2
Net-(D58-Pad2): length 3
  Bottom w0.25: D58.2 136.49,36.04 KEY_B1.2
Net-(D59-Pad2): length 3
  Bottom w0.25: D59.2 257.94,16.99 KEY_MENU1.2
Net-(D60-Pad2): length 3
  Bottom w0.25: KEY_LEFT1.2 312.71,16.99 D60.2
Net-(D61-Pad2): length 3
  Bottom w0.25: D61.2 331.76,36.04 KEY_UP1.2
Net-(D62-Pad2): length 3
  Bottom w0.25: D62.2 331.76,93.19 KEY_HOME1.2
Net-(D63-Pad2): length 3
  Bottom w0.25: D63.2 331.76,74.14 KEY_END1.2
Net-(D64-Pad2): length 3
  Bottom w0.25: KEY_7.2 150.78,93.19 D64.2
Net-(D65-Pad2): length 3
  Bottom w0.25: D65.2 160.31,74.14 KEY_U1.2
Net-(D66-Pad2): length 3
  Bottom w0.25: D66.2 165.07,55.09 KEY_J1.2
Net-(D67-Pad2): length 3
  Bottom w0.25: KEY_N1.2 155.54,36.04 D67.2
Net-(D68-Pad2): length 3
  Bottom w0.25: D68.2 281.75,16.99 KEY_RCTRL1.2
Net-(D69-Pad2): length 3
  Bottom w0.25: D69.2 350.81,16.99 KEY_RIGHT1.2
Net-(D70-Pad2): length 3
  Bottom w0.25: D70.2 331.76,16.99 KEY_DOWN1.2
Net-(D71-Pad2): length 3
  Bottom w0.25: D71.2 350.81,93.19 KEY_PAGEUP1.2
Net-(D72-Pad2): length 3
  Bottom w0.25: KEY_PAGEDOWN1.2 350.81,74.14 D72.2
Net-(R3-Pad1): length 10.5
  Bottom w0.25: USB1.10 175.58,92.49 175.35,92.26 175.35,91.66 175.85,91.16 177.35,91.16 178.85,92.66 180.05,92.66 180.97,93.59 R3.1
Net-(R4-Pad1): length 10.3
  Bottom w0.25: USB1.4 172.58,92.09 171.85,91.36 170.05,91.36 168.45,92.96 168.45,94.76 167.96,95.25 R4.1
Net-(R5-Pad2): length 6
  Bottom w0.25: 173.08,92.39 173.08,91.79 172.24,90.96 R5.2 ; 173.08,92.39 173.11,92.36 173.85,92.36 174.08,92.59 USB1.7 ; 173.08,92.39 USB1.5
Net-(R6-Pad2): length 7.1
  Bottom w0.25: R6.2 175.42,90.59 174.58,91.43 USB1.8 174.58,94.53 174.35,94.76 173.85,94.76 173.58,94.49 USB1.6

## Copper pours and planes (outline as drawn; the poured copper is in the pictures)
GND on Top, Bottom: 357.19,0 0,0 0,100.01 357.19,100.01

## Text on the board
B.Silkscreen: JLCJLCJLCJLC
